# Allegro board 6089-119-RevB_08.brd (continued)
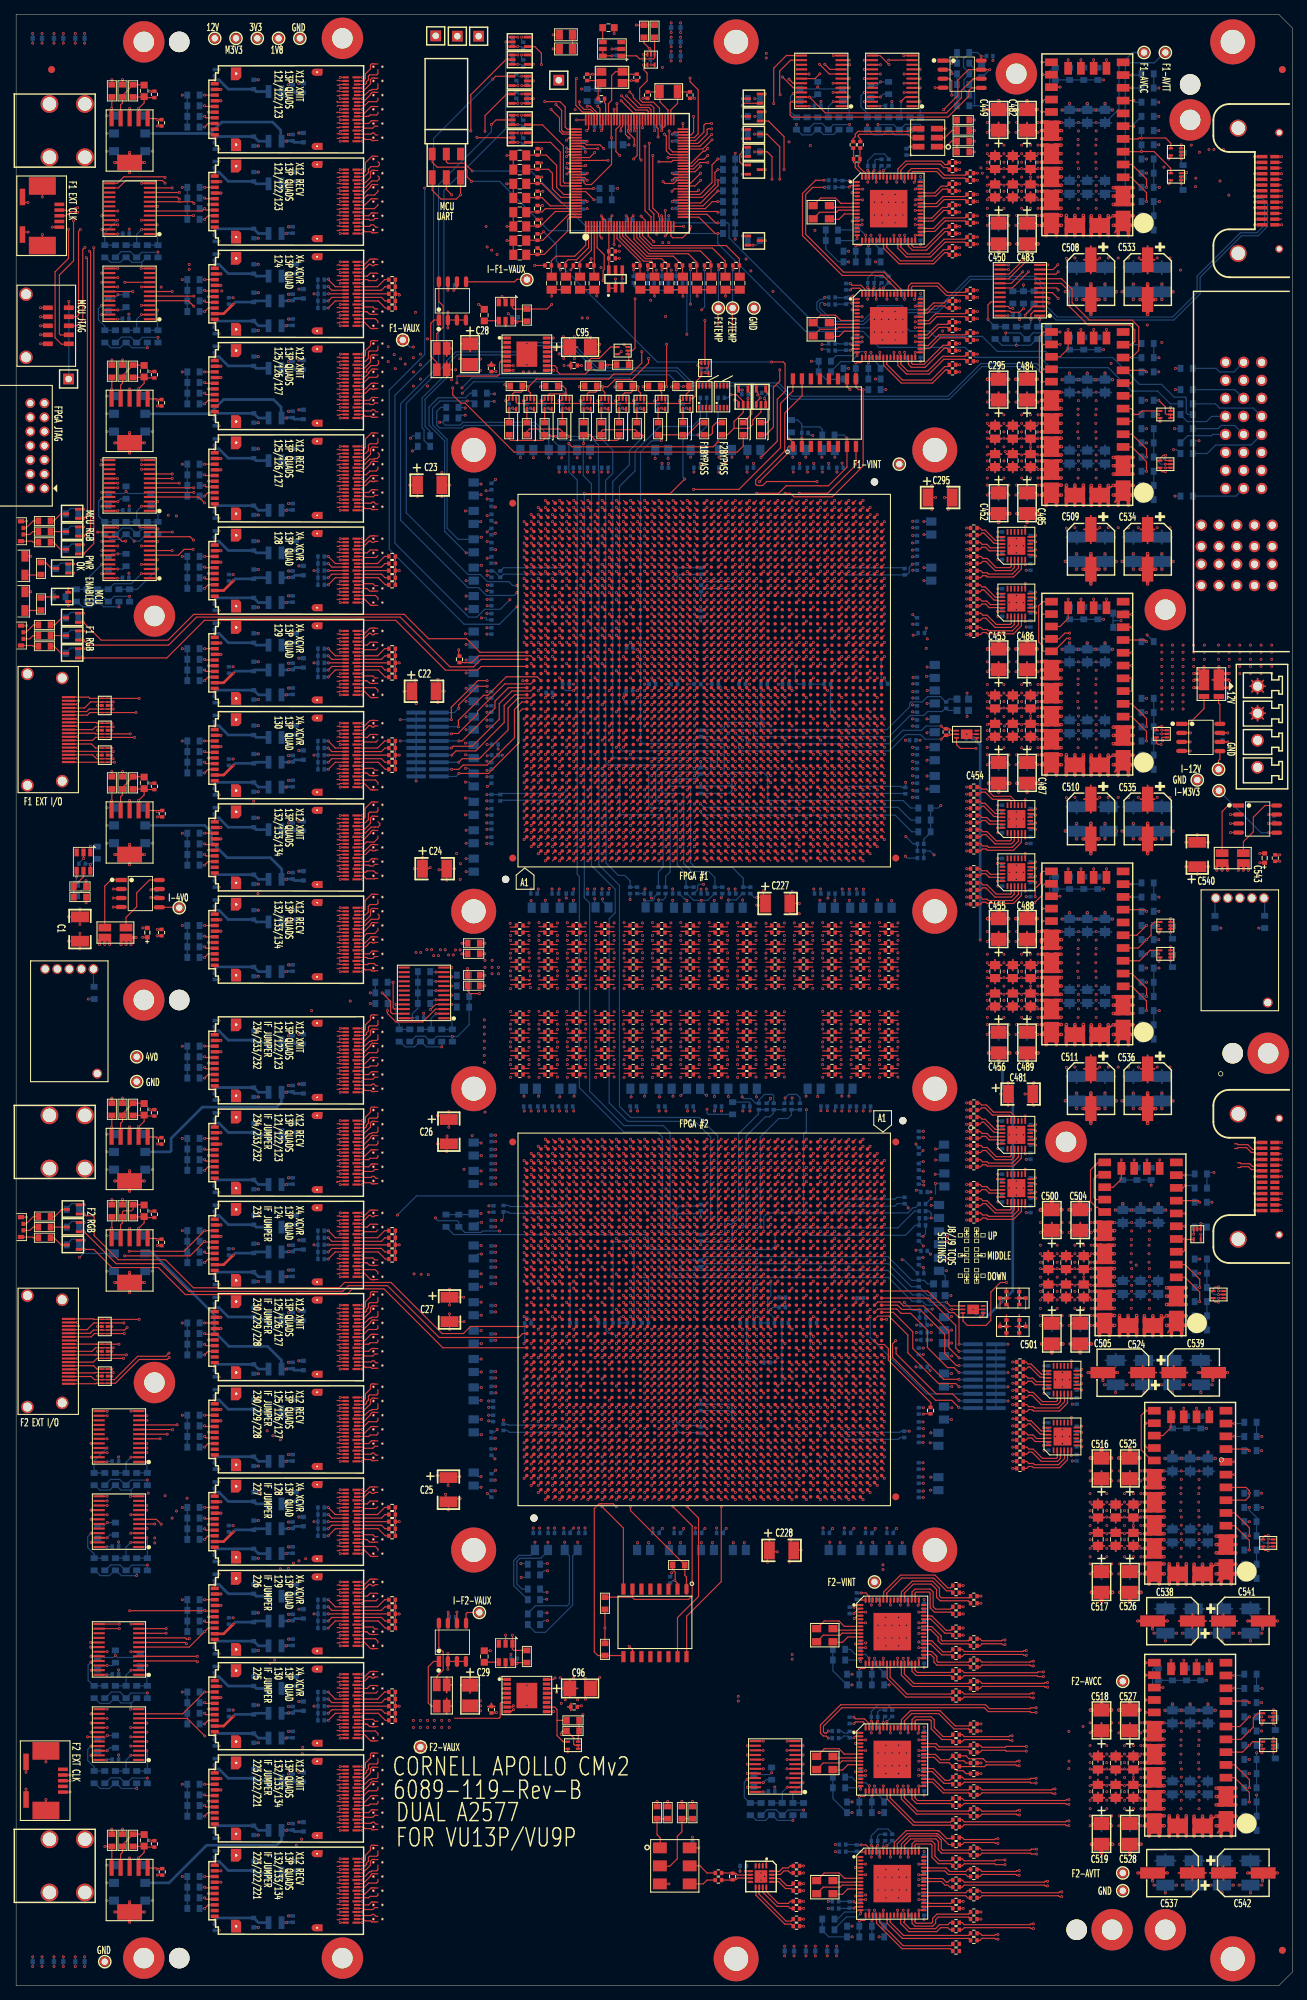
[diagram p0: board, top side]
## Routing (per net, layer and track width the routed paths; a pad name or vN(x,y) marks a point on that pad's centre or on a via; arc(x,y) is an arc through that point) (continued)
  SIG4 w0.083: 45.25,49.81 45.45,50.01 arc(45.48,50.03) 45.51,50.04 48.96,50.04 arc(49.3,50.1) 49.6,50.3 arc(50.26,50.74) 51.04,50.9 83.47,50.9 arc(84.42,51.09) 85.22,51.62 100.54,66.94 arc(100.88,67.45) 101,68.06 101,69.73 arc(101.01,69.79) 101.05,69.85 arc(101.16,69.92) 101.29,69.95 103.5,69.95 arc(103.71,69.86) 103.8,69.65 103.8,69.33 arc(103.92,69.03) 104.23,68.9 104.31,68.9 arc(104.37,68.88) 104.39,68.82 104.39,68.51
NF2_FF6_RECV3: length 71.1
  TOP w0.165: U77.V49 105.39,70.51 ; U40.A15 49.26,49.9 49.3,49.86 49.49,49.86 49.83,49.52 50.16,49.52 50.19,49.49 50.54,49.49 50.57,49.52 51,49.52
  SIG3 w0.083: 51,49.52 51.64,49.52 arc(51.77,49.54) 51.88,49.62 52,49.74 52.05,49.74 arc(52.08,49.75) 52.11,49.76 52.11,49.77 arc(52.14,49.79) 52.17,49.8 84,49.8 arc(84.82,49.96) 85.52,50.43 101.28,66.18 arc(101.81,66.98) 102,67.92 102,71.73 arc(102.01,71.79) 102.05,71.85 arc(102.16,71.92) 102.29,71.95 104.5,71.95 arc(104.71,71.86) 104.8,71.65 104.8,71.33 arc(104.92,71.03) 105.23,70.9 105.31,70.9 arc(105.37,70.88) 105.39,70.82 105.39,70.51
NF2_FF6_XMIT0: length 68
  TOP w0.165: U77.AA46 102.39,73.51 ; 51,57.28 50.57,57.28 50.54,57.31 50.19,57.31 50.16,57.28 49.88,57.28 49,56.4 U40.A2
  SIG2 w0.083: 102.39,73.51 102.39,73.82 arc(102.42,73.88) 102.47,73.9 102.56,73.9 arc(102.72,73.84) 102.79,73.67 102.79,68.9 arc(102.62,68.06) 102.15,67.34 92.09,57.29 arc(90.79,56.42) 89.25,56.11 62.86,56.11 arc(62.61,56.16) 62.4,56.3 62.37,56.32 arc(61.62,56.83) 60.73,57 59.01,57 58.87,57.15 58.54,57.15 58.39,57 58.06,57 57.92,57.15 57.59,57.15 57.44,57 57.11,57 56.97,57.15 56.64,57.15 56.49,57 56.16,57 56.02,57.15 55.69,57.15 55.54,57 55.21,57 55.07,57.15 54.74,57.15 54.59,57 54.26,57 54.12,57.15 53.79,57.15 53.64,57 52.17,57 arc(52.14,57.01) 52.11,57.03 52.11,57.04 arc(52.08,57.05) 52.05,57.06 52,57.06 51.88,57.18 arc(51.77,57.26) 51.64,57.28 51,57.28
NF2_FF6_XMIT1: length 74.8
  TOP w0.165: 45.25,56.47 45.58,56.47 45.65,56.4 U40.B2 ; U77.Y44 103.39,75.51
  SIG1 w0.083: 45.25,56.47 45.45,56.27 arc(45.48,56.25) 45.51,56.25 49.25,56.25 arc(49.44,56.21) 49.6,56.1 arc(49.65,56.07) 49.71,56.06 54.23,56.06 54.37,56.2 54.7,56.2 54.85,56.06 55.18,56.06 55.32,56.2 55.65,56.2 55.8,56.06 56.13,56.06 56.27,56.2 56.6,56.2 56.74,56.06 57.08,56.06 57.22,56.2 57.55,56.2 57.69,56.06 58.02,56.06 58.17,56.2 58.5,56.2 58.64,56.06 58.97,56.06 59.12,56.2 59.45,56.2 59.59,56.06 91.44,56.06 arc(92.29,56.22) 93.01,56.71 103.15,66.84 arc(103.62,67.56) 103.79,68.4 103.79,75.67 arc(103.72,75.84) 103.56,75.9 103.47,75.9 arc(103.42,75.88) 103.39,75.82 103.39,75.51
NF2_FF6_XMIT2: length 70.5
  TOP w0.165: U40.A5 49.5,54.9 49.91,55.31 50.75,55.31 50.78,55.28 51,55.28 ; U77.W46 104.39,73.51
  SIG2 w0.083: 104.39,73.51 104.39,73.82 arc(104.42,73.88) 104.47,73.9 104.56,73.9 arc(104.72,73.84) 104.79,73.67 104.79,68.32 arc(104.55,67.09) 103.85,66.04 94.27,56.47 arc(92.71,55.43) 90.87,55.06 60.06,55.06 59.92,55.2 59.59,55.2 59.45,55.06 59.12,55.06 58.98,55.2 58.65,55.2 58.51,55.06 58.18,55.06 58.04,55.2 57.71,55.2 57.57,55.06 57.24,55.06 57.1,55.2 56.77,55.2 56.63,55.06 56.3,55.06 56.16,55.2 55.83,55.2 55.69,55.06 55.36,55.06 55.22,55.2 54.89,55.2 54.74,55.06 52.7,55.06 52.65,55 52.17,55 arc(52.14,55.01) 52.11,55.03 52.11,55.04 arc(52.08,55.05) 52.05,55.06 52,55.06 51.88,55.18 arc(51.77,55.26) 51.64,55.28 51,55.28
NF2_FF6_XMIT3: length 78.3
  TOP w0.165: 45.25,54.97 45.58,54.97 45.65,54.9 U40.B5 ; U77.V44 105.39,75.51
  SIG1 w0.083: 105.39,75.51 105.39,75.82 arc(105.42,75.88) 105.47,75.9 105.56,75.9 arc(105.72,75.84) 105.79,75.67 105.79,68.25 arc(105.47,66.62) 104.55,65.24 94.03,54.73 arc(93.23,54.19) 92.27,54 60.83,54 60.68,54.15 60.35,54.15 60.2,54 59.87,54 59.72,54.15 59.39,54.15 59.24,54 58.91,54 58.76,54.15 58.43,54.15 58.28,54 57.95,54 57.8,54.15 57.47,54.15 57.32,54 56.99,54 56.84,54.15 56.51,54.15 56.36,54 56.03,54 55.88,54.15 55.55,54.15 55.4,54 50.82,54 arc(50.29,54.1) 49.85,54.4 arc(49.47,54.66) 49.02,54.75 45.51,54.75 arc(45.48,54.75) 45.45,54.77 45.25,54.97
NF2_FF7_RECV0: length 80
  TOP w0.165: U41.B18 45.65,35.4 45.56,35.31 45.25,35.31 ; U77.U51 106.39,68.51
  SIG4 w0.083: 106.39,68.51 106.39,68.82 arc(106.37,68.88) 106.31,68.9 106.23,68.9 arc(106.04,68.83) 105.96,68.64 105.96,64.85 arc(105.69,63.48) 104.91,62.31 79.18,36.58 arc(78.36,36.03) 77.39,35.84 49.69,35.84 arc(49.64,35.83) 49.6,35.8 arc(49.3,35.6) 48.96,35.54 45.51,35.54 arc(45.48,35.53) 45.45,35.51 45.25,35.31
NF2_FF7_RECV1: length 79.2
  TOP w0.165: U41.A18 49.1,35.4 49.98,34.52 50.16,34.52 50.19,34.49 50.54,34.49 50.57,34.52 51,34.52 ; U77.T49 107.39,70.51
  SIG3 w0.083: 51,34.52 51.64,34.52 arc(51.77,34.54) 51.88,34.62 52,34.74 52.05,34.74 arc(52.08,34.75) 52.11,34.76 52.11,34.77 arc(52.14,34.79) 52.17,34.8 76.69,34.8 arc(77.34,34.92) 77.89,35.29 106.41,63.82 arc(106.82,64.42) 106.96,65.14 106.96,70.64 arc(107.04,70.83) 107.23,70.9 107.31,70.9 arc(107.37,70.88) 107.39,70.82 107.39,70.51
NF2_FF7_RECV2: length 82.8
  TOP w0.165: U41.B15 45.65,36.9 45.56,36.81 45.25,36.81 ; U77.R51 108.39,68.51
  SIG4 w0.083: 45.25,36.81 45.45,37.01 arc(45.48,37.03) 45.51,37.04 48.96,37.04 arc(49.3,37.1) 49.6,37.3 arc(50.26,37.74) 51.04,37.9 77.75,37.9 arc(78.9,38.13) 79.88,38.78 103.98,62.88 arc(104.73,64.01) 105,65.35 105,69.73 arc(105.01,69.79) 105.05,69.85 arc(105.16,69.92) 105.29,69.95 107.5,69.95 arc(107.71,69.86) 107.8,69.65 107.8,69.33 arc(107.92,69.03) 108.23,68.9 108.31,68.9 arc(108.37,68.88) 108.39,68.82 108.39,68.51
NF2_FF7_RECV3: length 81.6
  TOP w0.165: U41.A15 49.26,36.9 49.3,36.86 49.49,36.86 49.83,36.52 50.16,36.52 50.19,36.49 50.54,36.49 50.57,36.52 51,36.52 ; U77.P49 109.39,70.51
  SIG3 w0.083: 51,36.52 51.64,36.52 arc(51.77,36.54) 51.88,36.62 52,36.74 52.05,36.74 arc(52.08,36.75) 52.11,36.76 52.11,36.77 arc(52.14,36.79) 52.17,36.8 76.53,36.8 arc(77.79,37.05) 78.85,37.76 105.47,64.38 arc(105.86,64.96) 106,65.65 106,71.73 arc(106.01,71.79) 106.05,71.85 arc(106.16,71.92) 106.29,71.95 108.5,71.95 arc(108.71,71.86) 108.8,71.65 108.8,71.33 arc(108.92,71.03) 109.23,70.9 109.31,70.9 arc(109.37,70.88) 109.39,70.82 109.39,70.51
NF2_FF7_XMIT0: length 77.1
  TOP w0.165: 51,44.28 50.57,44.28 50.54,44.31 50.19,44.31 50.16,44.28 49.88,44.28 49,43.4 U41.A2 ; U77.U46 106.39,73.51
  SIG2 w0.083: 106.39,73.51 106.39,73.82 arc(106.42,73.88) 106.47,73.9 106.56,73.9 arc(106.72,73.84) 106.79,73.67 106.79,68.59 arc(106.59,67.57) 106.02,66.72 84.02,44.72 arc(83.23,44.19) 82.29,44 59.55,44 59.41,44.15 59.08,44.15 58.93,44 58.6,44 58.46,44.15 58.13,44.15 57.98,44 57.65,44 57.51,44.15 57.18,44.15 57.03,44 56.7,44 56.56,44.15 56.23,44.15 56.08,44 55.75,44 55.61,44.15 55.28,44.15 55.13,44 54.8,44 54.66,44.15 54.33,44.15 54.18,44 52.17,44 arc(52.14,44.01) 52.11,44.03 52.11,44.04 arc(52.08,44.05) 52.05,44.06 52,44.06 51.88,44.18 arc(51.77,44.26) 51.64,44.28 51,44.28
NF2_FF7_XMIT1: length 84.3
  TOP w0.165: U41.B2 45.65,43.4 45.58,43.47 45.25,43.47 ; U77.T44 107.39,75.51
  SIG1 w0.083: 107.39,75.51 107.39,75.82 arc(107.42,75.88) 107.47,75.9 107.56,75.9 arc(107.72,75.84) 107.79,75.67 107.79,68.46 arc(107.52,67.1) 106.75,65.95 85,44.2 arc(83.62,43.28) 81.98,42.95 58.7,42.95 58.55,43.1 58.22,43.1 58.07,42.95 57.74,42.95 57.59,43.1 57.26,43.1 57.11,42.95 56.78,42.95 56.63,43.1 56.3,43.1 56.15,42.95 55.82,42.95 55.67,43.1 55.34,43.1 55.19,42.95 54.86,42.95 54.71,43.1 54.38,43.1 54.23,42.95 49.96,42.95 arc(49.77,42.99) 49.6,43.1 arc(49.44,43.21) 49.25,43.25 45.51,43.25 arc(45.48,43.25) 45.45,43.27 45.25,43.47
NF2_FF7_XMIT2: length 79.3
  TOP w0.165: U77.R46 108.39,73.51 ; 51,42.28 50.78,42.28 50.75,42.31 49.91,42.31 49.5,41.9 U41.A5
  SIG2 w0.083: 51,42.28 51.64,42.28 arc(51.77,42.26) 51.88,42.18 52,42.06 52.05,42.06 arc(52.08,42.05) 52.11,42.04 52.11,42.03 arc(52.14,42.01) 52.17,42 55.14,42 55.29,42.15 55.62,42.15 55.76,42 56.09,42 56.24,42.15 56.57,42.15 56.71,42 57.04,42 57.19,42.15 57.52,42.15 57.66,42 57.99,42 58.14,42.15 58.47,42.15 58.62,42 58.95,42 59.09,42.15 59.42,42.15 59.57,42 81.32,42 arc(82.7,42.28) 83.86,43.05 108.31,67.51 arc(108.67,68.04) 108.79,68.66 108.79,73.67 arc(108.72,73.84) 108.56,73.9 108.47,73.9 arc(108.42,73.88) 108.39,73.82 108.39,73.51
NF2_FF7_XMIT3: length 87.1
  TOP w0.165: U41.B5 45.65,41.9 45.58,41.97 45.25,41.97 ; U77.P44 109.39,75.51
  SIG1 w0.083: 109.39,75.51 109.39,75.82 arc(109.42,75.88) 109.47,75.9 109.56,75.9 arc(109.72,75.84) 109.79,75.67 109.79,68.78 arc(109.55,67.59) 108.87,66.57 84.62,42.32 arc(83.16,41.34) 81.44,41 60.03,41 59.88,41.15 59.55,41.15 59.4,41 59.07,41 58.92,41.15 58.59,41.15 58.44,41 58.11,41 57.96,41.15 57.63,41.15 57.48,41 57.15,41 57,41.15 56.67,41.15 56.52,41 56.19,41 56.04,41.15 55.71,41.15 55.56,41 55.23,41 55.08,41.15 54.75,41.15 54.6,41 50.82,41 arc(50.29,41.1) 49.85,41.4 arc(49.47,41.66) 49.02,41.75 45.51,41.75 arc(45.48,41.75) 45.45,41.77 45.25,41.97
NF2_H_RECV0: length 15.7
  TOP w0.165: 116.3,129.25 115.6,129.25 C259.1 ; U77.F3 117.39,117.29
  SIG2 w0.083: 117.39,117.29 117.39,116.98 arc(117.42,116.92) 117.47,116.9 117.56,116.9 arc(117.72,116.96) 117.79,117.13 117.79,125 arc(117.66,125.66) 117.29,126.21 115.94,127.56 arc(115.71,127.9) 115.63,128.3 115.63,128.73 arc(115.7,128.92) 115.88,129.02 arc(115.92,129.02) 115.96,129.02 116.04,129.02 arc(116.07,129.03) 116.1,129.05 116.3,129.25
NF2_H_RECV1: length 16.2
  TOP w0.165: 116.3,131.71 115.64,131.71 C257.1 ; U77.G1 116.39,119.29
  SIG2 w0.083: 116.3,131.71 116.1,131.51 arc(116.07,131.49) 116.04,131.49 115.96,131.49 arc(115.42,131.26) 115.19,130.72 115.19,127.78 arc(115.29,127.3) 115.56,126.89 arc(115.56,126.89) 115.56,126.89 116.53,125.92 arc(116.72,125.63) 116.79,125.29 116.79,119.13 arc(116.72,118.96) 116.56,118.9 116.47,118.9 arc(116.42,118.92) 116.39,118.98 116.39,119.29
NF2_H_RECV2: length 21.1
  TOP w0.165: U77.H3 115.39,117.29 ; C255.1 115.6,134.25 116.3,134.25
  SIG2 w0.083: 116.3,134.25 116.1,134.05 arc(116.07,134.03) 116.04,134.02 115.25,134.02 arc(114.82,133.85) 114.64,133.42 114.64,127.51 arc(114.78,126.82) 115.17,126.23 115.44,125.96 arc(115.7,125.57) 115.79,125.11 115.79,117.13 arc(115.72,116.96) 115.56,116.9 115.47,116.9 arc(115.42,116.92) 115.39,116.98 115.39,117.29
NF2_H_RECV3: length 21.8
  TOP w0.165: 116.3,136.7 115.65,136.7 C253.1 ; U77.J1 114.39,119.29
  SIG2 w0.083: 116.3,136.7 116.1,136.5 arc(116.07,136.48) 116.04,136.47 115,136.47 arc(114.36,136.21) 114.1,135.57 114.1,127.02 arc(114.25,126.26) 114.68,125.62 arc(114.76,125.5) 114.79,125.35 114.79,119.13 arc(114.72,118.96) 114.56,118.9 114.47,118.9 arc(114.42,118.92) 114.39,118.98 114.39,119.29
NF2_H_XMIT0: length 33.1
  TOP w0.165: 116.3,141.75 115.6,141.75 C251.2 ; U77.F8 117.39,112.29
  SIG1 w0.083: 116.3,141.75 116.1,141.55 arc(116.07,141.53) 116.04,141.52 115.96,141.52 arc(115.75,141.44) 115.67,141.23 115.67,140.5 arc(115.71,140.3) 115.82,140.13 116.72,139.23 arc(116.93,138.92) 117,138.55 117,127.48 arc(117.05,127.22) 117.2,127 117.32,126.88 arc(117.67,126.36) 117.79,125.75 117.79,112.13 arc(117.72,111.96) 117.56,111.9 117.47,111.9 arc(117.42,111.92) 117.39,111.98 117.39,112.29
NF2_H_XMIT1: length 33.8
  TOP w0.165: C249.2 115.64,144.21 116.3,144.21 ; U77.G6 116.39,114.29
  SIG1 w0.083: 116.39,114.29 116.39,114.01 arc(116.45,113.86) 116.6,113.8 arc(116.74,113.86) 116.8,114 116.8,125.65 arc(116.7,126.16) 116.41,126.59 116.05,126.95 arc(115.82,127.29) 115.74,127.69 115.74,139.01 arc(115.64,139.51) 115.36,139.94 arc(115.21,140.17) 115.15,140.45 115.15,143.18 arc(115.39,143.75) 115.96,143.98 116.04,143.98 arc(116.07,143.99) 116.1,144.01 116.3,144.21
NF2_H_XMIT2: length 38.6
  TOP w0.165: C247.2 115.6,146.75 116.3,146.75 ; U77.H8 115.39,112.29
  SIG1 w0.083: 115.39,112.29 115.39,112.05 arc(115.45,111.91) 115.6,111.84 115.75,111.84 arc(115.81,111.87) 115.84,111.93 115.84,125.48 arc(115.74,125.98) 115.45,126.41 115.27,126.59 arc(115.06,126.9) 114.99,127.27 114.99,138.95 arc(114.98,139.02) 114.96,139.08 114.91,139.17 114.89,139.19 arc(114.71,139.53) 114.65,139.9 114.65,143.4 arc(114.69,143.62) 114.82,143.81 114.93,143.92 arc(114.97,143.99) 114.99,144.07 114.99,146.22 arc(115.05,146.4) 115.21,146.5 arc(115.3,146.52) 115.4,146.52 116.04,146.52 arc(116.07,146.53) 116.1,146.55 116.3,146.75
NF2_H_XMIT3: length 39.4
  TOP w0.165: 116.3,149.2 115.65,149.2 C245.2 ; U77.J6 114.39,114.29
  SIG1 w0.083: 114.39,114.29 114.39,113.98 arc(114.42,113.92) 114.47,113.9 114.56,113.9 114.72,113.96 114.79,114.13 114.79,125.62 arc(114.76,125.8) 114.66,125.95 114.65,125.95 arc(114.51,126.17) 114.45,126.44 114.45,127.28 arc(114.45,127.32) 114.44,127.36 arc(114.42,127.43) 114.39,127.48 arc(114.37,127.52) 114.34,127.56 arc(114.2,127.8) 114.15,128.07 114.15,148.37 arc(114.33,148.8) 114.75,148.97 116.04,148.97 arc(116.07,148.98) 116.1,149 116.3,149.2
NF2_I_RECV0: length 29.9
  TOP w0.165: U77.C5 120.39,115.29 ; 120.3,134.25 119.6,134.25 C273.1
  SIG2 w0.083: 120.39,115.29 120.39,115.07 arc(120.44,114.96) 120.55,114.91 120.72,114.91 arc(120.92,114.82) 121.01,114.62 121.01,114.1 arc(120.89,113.81) 120.6,113.69 118.15,113.69 arc(117.9,113.8) 117.79,114.05 117.79,115.48 arc(117.93,115.81) 118.25,115.95 118.41,115.95 arc(118.53,115.97) 118.63,116.04 118.64,116.05 arc(118.71,116.16) 118.74,116.29 118.74,116.43 118.74,116.44 118.74,117.45 arc(118.88,117.77) 119.2,117.91 119.4,117.91 arc(119.66,118) 119.82,118.23 arc(119.83,118.27) 119.84,118.31 arc(119.84,118.34) 119.84,118.36 119.84,125.51 arc(119.83,125.56) 119.8,125.6 119.74,125.66 119.44,125.96 119.17,126.23 arc(118.78,126.82) 118.64,127.51 118.64,133.42 arc(118.82,133.85) 119.25,134.02 120.04,134.02 arc(120.07,134.03) 120.1,134.05 120.3,134.25
NF2_I_RECV1: length 20.4
  TOP w0.165: U77.E5 118.39,115.29 ; C277.1 119.6,129.25 120.3,129.25
  SIG2 w0.083: 120.3,129.25 120.1,129.05 arc(120.07,129.03) 120.04,129.02 119.96,129.02 arc(119.92,129.02) 119.88,129.02 arc(119.7,128.92) 119.63,128.73 119.63,128.3 arc(119.71,127.9) 119.94,127.56 121.24,126.26 arc(121.65,125.65) 121.79,124.94 121.79,116.1 arc(121.72,115.93) 121.55,115.86 120.2,115.86 arc(119.91,115.74) 119.79,115.45 119.79,115.14 arc(119.72,114.97) 119.55,114.9 118.47,114.9 arc(118.42,114.92) 118.39,114.98 118.39,115.29
NF2_I_RECV2: length 19.2
  TOP w0.165: C275.1 119.6,131.75 120.3,131.75 ; U77.D3 119.39,117.29
  SIG2 w0.083: 120.3,131.75 120.1,131.55 arc(120.07,131.53) 120.04,131.52 119.96,131.52 arc(119.38,131.29) 119.14,130.71 119.14,127.8 arc(119.23,127.35) 119.48,126.97 120.03,126.43 arc(120.62,125.55) 120.85,124.52 120.84,124.51 120.84,122.89 120.84,117.18 arc(120.75,116.98) 120.55,116.9 119.47,116.9 arc(119.42,116.92) 119.39,116.98 119.39,117.29
NF2_I_RECV3: length 21.8
  TOP w0.165: C271.1 119.65,136.7 120.3,136.7 ; U77.E1 118.39,119.29
  SIG2 w0.083: 120.3,136.7 120.1,136.5 arc(120.07,136.48) 120.04,136.47 119,136.47 arc(118.36,136.21) 118.1,135.57 118.1,127.02 arc(118.25,126.26) 118.68,125.62 118.77,125.53 arc(118.78,125.51) 118.79,125.48 118.79,119.21 arc(118.7,118.99) 118.47,118.9 arc(118.42,118.92) 118.39,118.98 118.39,119.29
NF2_I_XMIT0: length 41.8
  TOP w0.165: U77.E10 118.39,110.29 ; 120.3,141.75 119.6,141.75 C269.2
  SIG1 w0.083: 120.3,141.75 120.1,141.55 arc(120.07,141.53) 120.04,141.52 119.96,141.52 arc(119.75,141.44) 119.67,141.23 119.67,140.5 arc(119.71,140.3) 119.82,140.13 120.72,139.23 arc(120.93,138.92) 121,138.55 121,127.86 arc(121.31,126.28) 122.21,124.94 123.55,123.6 arc(123.85,123.16) 123.95,122.64 123.95,112.46 arc(123.83,111.85) 123.48,111.33 123.3,111.15 arc(122.98,110.94) 122.6,110.86 122.29,110.86 arc(122.17,110.84) 122.07,110.77 121.9,110.6 arc(121.83,110.49) 121.8,110.35 121.8,109.1 arc(121.74,108.96) 121.6,108.9 119.2,108.9 arc(119.06,108.96) 119,109.1 119,109.45 arc(118.87,109.77) 118.56,109.9 118.47,109.9 arc(118.42,109.92) 118.39,109.98 118.39,110.29
NF2_I_XMIT1: length 40.6
  TOP w0.165: C265.2 119.6,146.75 120.3,146.75 ; U77.C10 120.39,110.29
  SIG1 w0.083: 120.3,146.75 120.1,146.55 arc(120.07,146.53) 120.04,146.52 119.55,146.52 arc(118.94,146.27) 118.69,145.67 118.69,139.26 arc(118.75,138.99) 118.9,138.75 arc(118.97,138.65) 118.99,138.54 118.99,127.75 arc(119.29,126.24) 120.14,124.96 arc(120.52,124.44) 120.73,123.83 120.78,123.52 arc(120.79,123.48) 120.79,123.44 120.79,110.13 arc(120.72,109.96) 120.56,109.9 120.47,109.9 arc(120.42,109.92) 120.39,109.98 120.39,110.29
NF2_I_XMIT2: length 35.9
  TOP w0.165: C267.2 119.6,144.25 120.3,144.25 ; U77.B8 121.39,112.29
  SIG1 w0.083: 120.3,144.25 120.1,144.05 arc(120.07,144.03) 120.04,144.02 119.96,144.02 arc(119.42,143.8) 119.19,143.26 119.19,139.95 arc(119.22,139.78) 119.32,139.63 119.63,139.33 arc(119.71,139.2) 119.74,139.05 119.74,127.34 arc(119.85,126.8) 120.15,126.35 arc(121.36,124.53) 121.79,122.39 121.79,112.13 arc(121.72,111.96) 121.56,111.9 121.47,111.9 arc(121.42,111.92) 121.39,111.98 121.39,112.29
NF2_I_XMIT3: length 41.7
  TOP w0.165: U77.D8 119.39,112.29 ; 120.3,149.2 119.65,149.2 C263.2
  SIG1 w0.083: 120.3,149.2 120.1,149 arc(120.07,148.98) 120.04,148.97 118.75,148.97 arc(118.33,148.8) 118.15,148.37 118.15,128.2 arc(118.16,128.12) 118.17,128.05 arc(118.21,127.95) 118.26,127.86 arc(118.33,127.7) 118.35,127.53 118.35,125.62 arc(118.48,124.96) 118.86,124.4 119.46,123.79 arc(119.56,123.68) 119.63,123.56 119.64,123.56 arc(119.66,123.51) 119.69,123.46 arc(119.75,123.34) 119.75,123.2 arc(119.74,123.16) 119.74,123.12 119.74,112.08 arc(119.69,111.95) 119.56,111.9 119.47,111.9 arc(119.42,111.92) 119.39,111.98 119.39,112.29
NF2_J_RECV0: length 36.3
  TOP w0.165: C293.1 123.6,129.25 124.3,129.25 ; U77.C19 120.39,101.29
  SIG2 w0.083: 124.3,129.25 124.1,129.05 arc(124.07,129.03) 124.04,129.02 123.96,129.02 arc(123.92,129.02) 123.88,129.02 arc(123.7,128.92) 123.63,128.73 123.63,128.3 arc(123.71,127.9) 123.94,127.56 125.23,126.27 arc(125.57,125.76) 125.69,125.16 125.69,124.11 arc(125.77,123.7) 126,123.35 126.14,123.22 arc(126.44,122.77) 126.54,122.24 126.54,120.4 arc(126.51,120.22) 126.42,120.07 arc(126.39,120.02) 126.35,119.97 arc(126.25,119.75) 126.17,119.53 arc(126.16,119.46) 126.15,119.39 126.15,103.89 arc(126.14,103.85) 126.12,103.82 125.95,103.65 arc(125.65,103.19) 125.54,102.66 arc(125.3,102.09) 124.73,101.85 121.3,101.85 arc(120.95,101.7) 120.8,101.35 120.8,101.1 arc(120.74,100.96) 120.6,100.9 120.5,100.9 arc(120.42,100.93) 120.39,101.01 120.39,101.29
NF2_J_RECV1: length 35.2
  TOP w0.165: U77.B17 121.39,103.29 ; C291.1 123.64,131.71 124.3,131.71
  SIG2 w0.083: 124.3,131.71 124.1,131.51 arc(124.07,131.49) 124.04,131.49 123.96,131.49 arc(123.38,131.25) 123.14,130.67 123.14,127.65 arc(123.19,127.39) 123.34,127.16 123.74,126.76 arc(124,126.44) 124.19,126.06 arc(124.32,125.78) 124.49,125.52 arc(124.68,125.18) 124.75,124.79 124.75,124.16 arc(124.86,123.6) 125.18,123.12 125.35,122.95 arc(125.66,122.49) 125.77,121.96 125.77,121.54 arc(125.76,121.5) 125.76,121.45 arc(125.66,121.11) 125.49,120.79 arc(125.2,120.24) 125.1,119.62 125.1,107.18 125.1,107.17 125.1,104.46 arc(124.98,103.89) 124.66,103.41 124.4,103.15 arc(124.12,102.96) 123.8,102.9 121.65,102.9 arc(121.47,102.98) 121.39,103.16 121.39,103.29
NF2_J_RECV2: length 46.4
  TOP w0.165: U77.A19 122.39,101.29 ; 124.3,134.25 123.6,134.25 C289.1
  SIG2 w0.083: 122.39,101.29 122.39,101.02 arc(122.42,100.94) 122.5,100.91 122.75,100.91 arc(123.07,100.77) 123.21,100.45 123.21,100.12 arc(123.18,99.98) 123.1,99.85 arc(122.92,99.73) 122.71,99.69 120.34,99.69 arc(120.13,99.73) 119.95,99.85 119.92,99.88 arc(119.82,100.03) 119.79,100.2 119.79,103.5 arc(119.91,103.79) 120.2,103.91 123.31,103.91 arc(123.66,104.05) 123.8,104.4 123.8,124.71 arc(123.64,125.53) 123.17,126.23 arc(122.78,126.82) 122.64,127.51 122.64,133.42 arc(122.82,133.85) 123.25,134.02 124.04,134.02 arc(124.07,134.03) 124.1,134.05 124.3,134.25
NF2_J_RECV3: length 26
  TOP w0.165: C287.1 123.65,136.7 124.3,136.7 ; U77.A5 122.39,115.29
  SIG2 w0.083: 122.39,115.29 122.39,115.06 arc(122.44,114.95) 122.55,114.9 122.7,114.9 arc(122.91,114.99) 123,115.2 123,124.63 arc(122.9,125.16) 122.6,125.6 arc(122.23,126.15) 122.1,126.81 122.1,135.57 arc(122.36,136.21) 123,136.47 124.04,136.47 arc(124.07,136.48) 124.1,136.5 124.3,136.7
NF2_J_XMIT0: length 46.8
  TOP w0.165: 124.3,144.21 123.64,144.21 C283.2 ; U77.C14 120.39,106.29
  SIG1 w0.083: 124.3,144.21 124.1,144.01 arc(124.07,143.99) 124.04,143.98 123.96,143.98 arc(123.39,143.75) 123.15,143.18 123.15,140.45 arc(123.21,140.17) 123.36,139.94 arc(123.64,139.51) 123.74,139.01 123.74,127.96 arc(123.86,127.36) 124.2,126.85 126.5,124.55 126.86,124.2 arc(127.18,123.72) 127.29,123.15 127.29,111.21 arc(127.11,110.31) 126.6,109.54 124.83,107.77 arc(123.87,107.13) 122.75,106.91 121.2,106.91 arc(120.88,106.77) 120.74,106.45 120.74,106.08 arc(120.69,105.95) 120.56,105.9 120.47,105.9 arc(120.42,105.92) 120.39,105.98 120.39,106.29
NF2_J_XMIT1: length 43.1
  TOP w0.165: C285.2 123.6,141.75 124.3,141.75 ; U77.A14 122.39,106.29
  SIG1 w0.083: 122.39,106.29 122.39,105.98 arc(122.42,105.92) 122.47,105.9 122.56,105.9 arc(124.32,106.25) 125.82,107.25 127.72,109.15 arc(128.14,109.78) 128.29,110.53 128.29,123.54 arc(128.15,124.25) 127.75,124.85 125.91,126.69 arc(125.24,127.7) 125,128.89 125,138.55 arc(124.93,138.92) 124.72,139.23 123.82,140.13 arc(123.71,140.3) 123.67,140.5 123.67,141.23 arc(123.75,141.44) 123.96,141.52 124.04,141.52 arc(124.07,141.53) 124.1,141.55 124.3,141.75
NF2_J_XMIT2: length 46.1
  TOP w0.165: U77.B12 121.39,108.29 ; C281.2 123.6,146.75 124.3,146.75
  SIG1 w0.083: 121.39,108.29 121.39,107.98 arc(121.42,107.92) 121.47,107.9 122.7,107.9 arc(123.16,107.99) 123.55,108.25 125.61,110.3 arc(126.11,111.06) 126.29,111.95 126.29,123.13 arc(126.17,123.71) 125.84,124.21 123.75,126.3 arc(123.11,127.25) 122.89,128.37 122.89,138.55 122.99,138.85 122.99,138.95 arc(122.98,139.02) 122.96,139.08 122.91,139.17 122.89,139.19 arc(122.71,139.53) 122.65,139.9 122.65,143.4 arc(122.69,143.62) 122.82,143.81 122.93,143.92 arc(122.97,143.99) 122.99,144.07 122.99,146.22 arc(123.05,146.4) 123.21,146.5 arc(123.3,146.52) 123.4,146.52 124.04,146.52 arc(124.07,146.53) 124.1,146.55 124.3,146.75
NF2_J_XMIT3: length 46.1
  TOP w0.165: 124.3,149.2 123.65,149.2 C279.2 ; U77.A10 122.39,110.29
  SIG1 w0.083: 122.39,110.29 122.39,109.98 arc(122.42,109.92) 122.47,109.9 123.31,109.9 arc(123.67,109.97) 123.97,110.17 124.35,110.54 arc(125.05,111.59) 125.29,112.82 125.29,120.37 arc(125.37,120.76) 125.59,121.09 125.67,121.17 arc(125.74,121.28) 125.77,121.4 125.77,122.61 arc(125.7,122.96) 125.5,123.25 123.26,125.49 arc(122.44,126.72) 122.15,128.17 122.15,148.37 arc(122.33,148.8) 122.75,148.97 124.04,148.97 arc(124.07,148.98) 124.1,149 124.3,149.2
NF2_M_RECV0: length 17.6
  TOP w0.165: U77.BJ5 73.61,115.29 ; 72.3,128.59 71.64,128.59 C57.1
  SIG2 w0.083: 73.61,115.29 73.61,115.06 arc(73.56,114.95) 73.45,114.9 arc(73.27,114.97) 73.2,115.15 73.2,118.95 73.4,119.15 73.4,119.48 73.2,119.68 73.2,120.01 73.4,120.21 73.4,120.54 73.2,120.74 73.2,121.07 73.4,121.27 73.4,121.6 73.2,121.8 73.2,122.13 73.4,122.33 73.4,122.66 73.2,122.86 73.2,125.85 arc(73.15,126.12) 72.99,126.36 71.93,127.42 arc(71.89,127.48) 71.88,127.55 71.88,128.67 arc(71.91,128.75) 72,128.79 arc(72.09,128.77) 72.17,128.72 72.3,128.59
NF2_M_RECV1: length 20.5
  TOP w0.165: C55.1 71.6,131.05 72.3,131.05 ; U77.BL5 71.61,115.29
  SIG2 w0.083: 72.3,131.05 72.1,131.25 arc(72.07,131.27) 72.04,131.28 71.96,131.28 arc(71.56,131.11) 71.4,130.72 71.4,127.23 arc(71.48,126.83) 71.7,126.49 71.85,126.35 arc(72.15,125.9) 72.25,125.38 72.25,124.95 72.4,124.8 72.4,124.47 72.25,124.32 72.25,122.81 72.45,122.61 72.45,122.28 72.25,122.08 72.25,121.75 72.45,121.55 72.45,121.22 72.25,121.02 72.25,120.69 72.45,120.49 72.45,120.16 72.25,119.96 72.25,118.77 arc(72.09,117.97) 71.64,117.29 71.58,117.23 arc(71.19,116.64) 71.05,115.95 71.05,115.15 arc(71.12,114.97) 71.3,114.9 71.4,114.9 arc(71.55,114.96) 71.61,115.11 71.61,115.29
NF2_M_RECV2: length 40.8
  TOP w0.165: U77.BL19 71.61,101.29 ; C51.1 71.6,136.05 72.3,136.05
  SIG2 w0.083: 72.3,136.05 72.1,136.25 arc(72.07,136.27) 72.04,136.28 71.15,136.28 arc(70.55,136.03) 70.3,135.43 70.3,120.63 arc(70.16,119.91) 69.75,119.3 arc(69.42,118.8) 69.3,118.21 69.3,117.35 arc(69.31,117.3) 69.31,117.26 69.31,116.96 69.5,116.77 69.5,116.44 69.31,116.25 69.31,115.92 69.5,115.73 69.5,115.4 69.31,115.21 69.31,114.88 69.5,114.69 69.5,114.36 69.31,114.17 69.31,113.84 69.5,113.65 69.5,113.32 69.31,113.13 69.31,111.55 arc(69.42,110.98) 69.74,110.5 70.45,109.8 arc(70.94,109.07) 71.11,108.2 71.11,101.23 arc(71.21,100.99) 71.44,100.9 71.53,100.9 arc(71.58,100.92) 71.61,100.98 71.61,101.29
NF2_M_RECV3: length 36
  TOP w0.165: 72.29,133.59 71.64,133.59 C53.1 ; U77.BK17 72.61,103.29
  SIG2 w0.083: 72.61,103.29 72.61,102.98 arc(72.58,102.92) 72.53,102.9 72.44,102.9 arc(72.31,102.95) 72.26,103.08 72.26,110.35 arc(72.11,110.71) 71.75,110.86 71.2,110.86 arc(71.05,110.89) 70.92,110.97 70.55,111.35 arc(70.45,111.5) 70.41,111.68 70.41,116.89 arc(70.45,117.26) 70.59,117.62 arc(70.75,118.06) 70.81,118.53 70.81,121.33 70.95,121.47 70.95,121.8 70.81,121.94 70.81,122.27 70.95,122.41 70.95,122.74 70.81,122.88 70.81,123.21 70.95,123.35 70.95,123.68 70.81,123.82 70.81,124.15 70.95,124.29 70.95,124.62 70.81,124.76 70.81,125.09 70.95,125.23 70.95,125.56 70.81,125.7 70.81,132.67 arc(71.14,133.48) 71.95,133.82 72.04,133.82 arc(72.07,133.81) 72.09,133.79 72.29,133.59
